# Altium PCB Whitespace_Daughtercard.PcbDoc (part 2 of 5)
Units mil, origin at the board's own origin, x right, y up, seen from the top; angles counter-clockwise.
Board outline 4000 x 3100 mil, 6 copper layers (Top Layer, Ground Plane, MidLayer1, MidLayer2, Power Plane, Bottom Layer), stack 62.3 mil thick; 355 components, 313 nets, 1366 pads, 1573 vias.
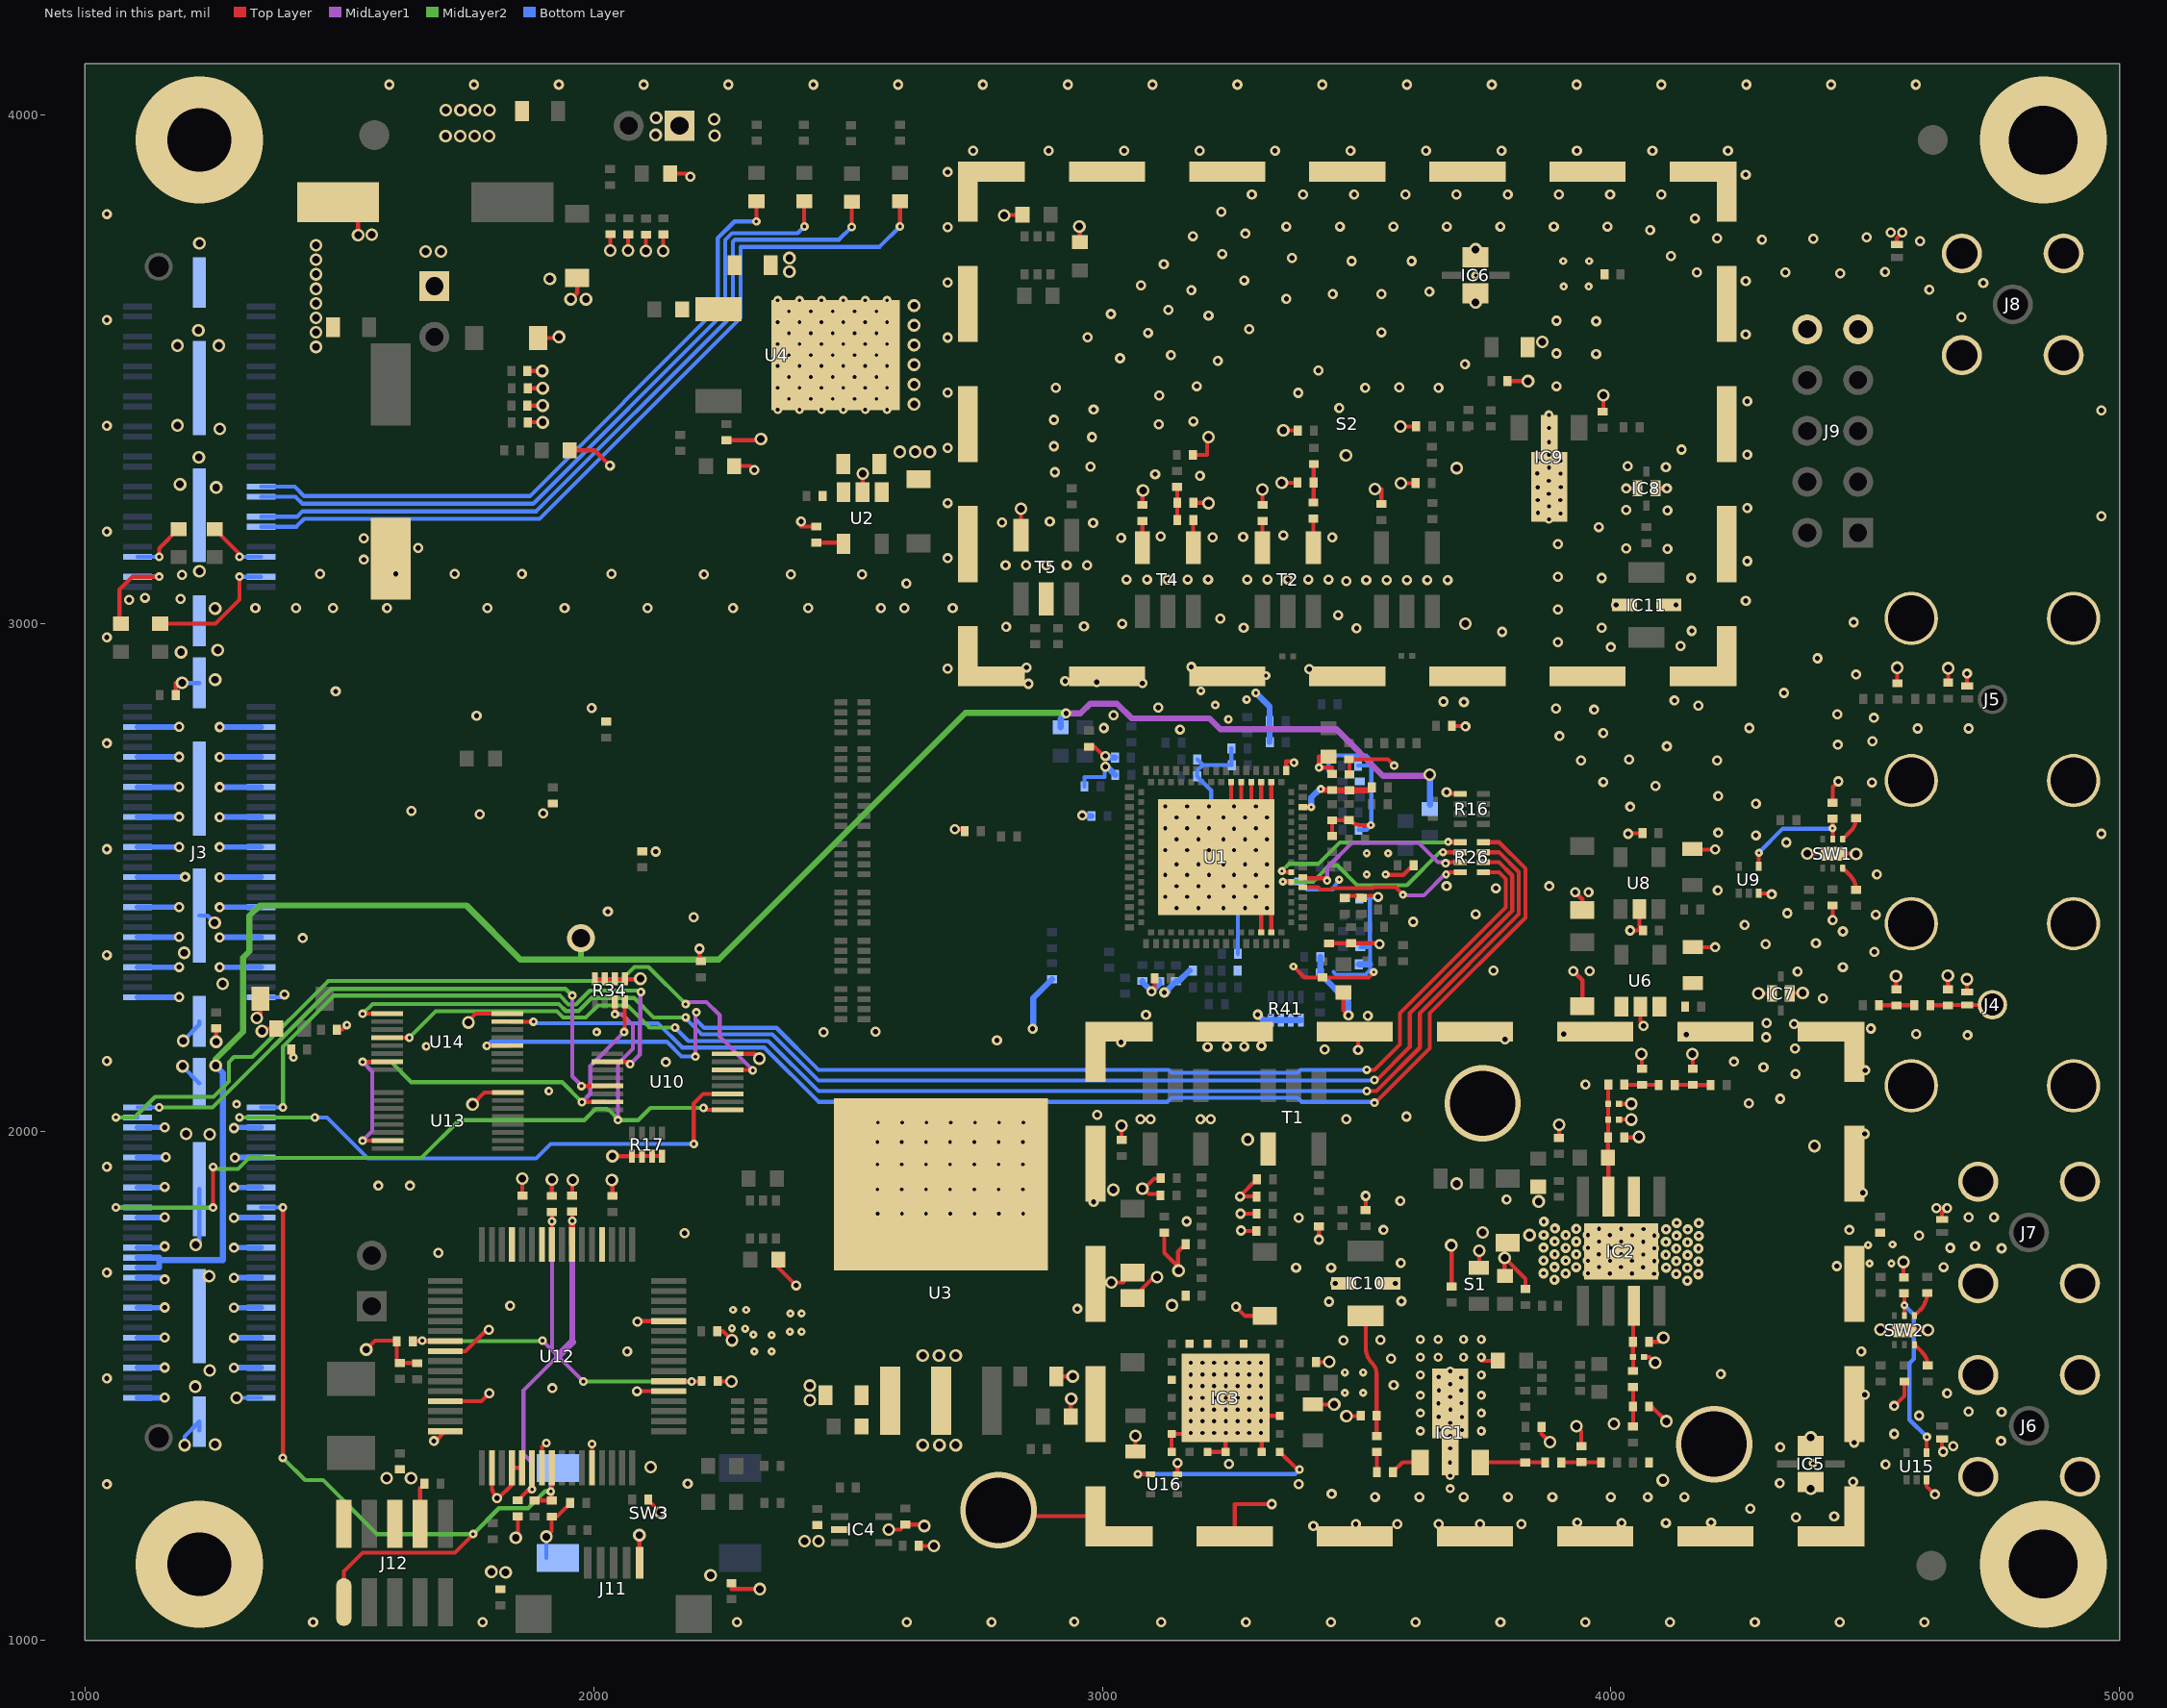
[diagram p6: the nets of this part, all layers, seen from the top]

## Part data
C1 C2 C3 C4 C5 C5a C5b C6 C6a C6b C6c C7 C8 C9 C10 C11 C12 C13 C14 C15 C16 C17 C18 C19 C20 C21 C22 C23 C24 C25 C26 C27 C28 C29 C30 C31 C32 C33 C34 C35 C36 C37 C38 C39 C40 C41 C42 C43 C44 C45 C46 C47 C60 C61 C62 C63 C64 C65 C66 C67 C68 C71 C72 C73 C74 C75 C76 C77 C78 C79 C80 C81 C82 C83 C84 C107 C112 C113 C115 C116 C117 C118 C119 C120 C121 C123 C124 C125 C126 C127 C128 C129 C130 C131 C132 C133 C134 C135 MC2 NC1 NC2: library part "Cap Semi", "Capacitor (Semiconductor SIM Model)"
C48 C49 C50 C51 C52 C53 C54 C55 C56 C57 C69 C70 C85 C86 C87 C88 C95 C96 C97 C98 C99 C102 C103 C104 C105 C106 C108 C109 C110 C111 C114 C136 C137 C138 C139 C140 C141 C142 C143 C144 C145 C146 C147 C148 C149 C150 C151 C152 C153 C154 C155 C156 C157 C158 C159 C160 C161 C162 C163 C164 C167 MC1: library part Cap, "Capacitor"
C58 C59: "Capacitor"
C89 C90 C91 C92 C93 C94 C168: library part Cap_0402, "0402 SMT Cap"
C165 C166: library part "Cap Pol3", "Polarized Capacitor (Surface Mount)"
D1 D2 D3 D4 D5 D6 D7 D8 D9 D15: library part LED
D10 D11 D12 D13 D14: library part ESD0P2RF-02LRH, "Bidirectional TVS Diode for RF Protection - Infineon"
FB1 FB2 FB3 FB4 FB5 FB6 FB7 FB8 FB9 FB10 FB11 FB12 FB13 FB14 FB15 FB16 FB17 FB18 FB19 FB20 FB21 FB22 FB23 FB24 FB25: library part FERRITE_BEAD, "Ferrite Bead, Various Values"
Heatsink: library part HeatSink
IC1 IC9: "Triquint TQP3M9009 Power Amplifier"
IC2: "RFMD RFPA3800 Power Amplifier"
IC3: library part RFFM4202, "5V, 2.4 to 2.5 GHz FEM w/ PA + PwrDet + SW"
IC4: "TI LDO Regulator SC70-5 0.9-6.2V"
IC5 IC6: library part 2450BP15E0100, "Johanson 2450 MHz Band Pass Ceramic Filter 2400-2500MHz"
IC7 IC8: library part FI168L062005-T
IC10 IC11: library part HFCN-440+, "Mini-Circuits High-Pass 500-2500 MHz Filter SMT"
J1 J2 J10: library part "Header 2", "Header, 2-Pin"
J3: "Samtec HSMC Daughtercard Connector (Male)"
J4 J5: "Right-Angle Through-PCB Female F-Type Connector, TE Connectivity, 75 Ohm"
J6 J7 J8: library part SMA_PCB_RT_ANGLE, "SMA 50 Ohm Female-NP Through Mount, Right-Angle Connector"
J9: "Header, 5-Pin, Dual row"
J11: "Molex Micro-USB Type B Connector"
J12: library part Header_5x2_FinePitch_1.27mm, "5X2 1.27 SMT Header Pins"
J14 L6 R30 R31 R32 R33: library part Res_0402, "0402 SMT Resistor"
L1 L2 L3 L4 L5 L7 L8 L9 L10 L11 L12 L13 L14 L15 L16 L17 ML1 ML2 NL1 NL2 R62: library part Inductor, "Inductor"
R1 R2 R12 R15 R25 R27 R28 R29 R39 R40 R42 R43 R44 R45 R46 R47 R48 R49 R52 R54 R55 R56 R57 R58 R59 R63 R102 R103: library part "Res Semi", "Semiconductor Resistor"
R3 R4 R5 R6 R7 R8 R9 R10 R11 R13 R14 R36 R37 R38 R51 R53 R60 R61: library part Res3, "Resistor"
R16 R17 R34 R35: library part 741X083103JP, "10kOhm Ohm 4x0402 Resistor Array"
R18 R19 R20 R21 R22 R23 R24: library part 741X083220JP, "22 Ohm 4x0402 Resistor Array"
R26 R41: library part 741X083470JP, "47 Ohm 4x0402 Resistor Array"
S1 S2: "EMI Shield 1.0 x 1.5 x 0.236 LairdTech"
SW1 SW2: "GaAs pHEMT DPDT switch 0.1-6.0 GHz"
SW3: library part SMT-PUSHBUTTON-SW, "Pushbutton Switch - Long Button"
T1: "Mini-Circuits Type A Transformer, 4:1 Ohm, CT, 200-1400MHz"
T2 T4 T6: "Mini-Circuits Type G 4.5-3000MHz 1:1 Transformer"
T3 T5: "Mini-Circuits Type A Transformer, 4:1 Ohm, CT, 500-2500MHz"
U1: "Lime Microsystems Wideband Transceiver Module"
U2 U6 U8: library part LP2985IM5-1.8, "TO LDO 1.8V 150mA Regulator w/ ON/OFF"
U3: library part TL780-05CKTTRG3, "TI 5V, 1500mA LDO"
U4: library part BA7807FP, "ROHM 7V, 1000mA LDO"
U5 U7 U17: "Integrated Load Switch, 0.8A, 2.5-8V, SC70-6"
U9 U15 U16: "Inverters Lo Pwr Sngl Invter Gate"
U10 U13 U14: "4-bit MUX/DEMUX 1-of-2  0-5V SIG 3.3V CTRL TVSOP-16"
U12: library part LM3S5Y36, "TI Stellaris LM3S5Y36 Microcontroller"
Y1: library part XTAL, "Crystal Oscillator"

## Via types
v1: diameter 20, hole 10, Top Layer to Bottom Layer, tented both sides, 569 vias
v2: diameter 17, hole 7, Top Layer to Bottom Layer, tented both sides, 273 vias
v3: diameter 25, hole 15, Top Layer to Bottom Layer, tented both sides, 262 vias
v4: diameter 18, hole 8, Top Layer to Bottom Layer, 137 vias
v5: diameter 16, hole 5, Top Layer to Bottom Layer, tented both sides, 108 vias
v6: diameter 20, hole 8, Top Layer to Bottom Layer, 64 vias
v7: diameter 18, hole 7, Top Layer to Bottom Layer, 61 vias
v8: diameter 17, hole 7, Top Layer to Bottom Layer, tented bottom, 41 vias
v9: diameter 18, hole 8, Top Layer to Bottom Layer, tented top, 17 vias
v10: diameter 16, hole 6, Top Layer to Bottom Layer, tented both sides, 11 vias
v11: diameter 25, hole 15, Top Layer to Bottom Layer, tented bottom, 10 vias
v12: diameter 16, hole 5, Top Layer to Bottom Layer, tented bottom, 4 vias
v13: diameter 55, hole 35.43, Top Layer to Bottom Layer, tented bottom, 3 vias
v14: diameter 150, hole 128.5, Top Layer to Bottom Layer, 3 vias
v15: diameter 250, hole 125, Top Layer to Bottom Layer, 2 vias
v16: diameter 250, hole 135, Top Layer to Bottom Layer, 2 vias
v17: diameter 18, hole 8, Top Layer to Bottom Layer, tented both sides, 2 vias
v18: diameter 18, hole 8, Top Layer to Bottom Layer, tented bottom, 2 vias
v19: diameter 20, hole 8, Top Layer to Bottom Layer, tented bottom, 1 vias
v20: diameter 19, hole 9, Top Layer to Bottom Layer, tented both sides, 1 vias

## Nets (pads, with @x,y where several pads share a name; then routed paths per layer and width w, separated by ;. In a path a pad name is that pad's centre, name@x,y a point inside that pad or via, vN(x,y) a via of type N, cw(c..) or ccw(c..) an arc to the next point about the centre after c; other vN are vias at no path point)
\LED_1_3: D6.- J3.26 | length 1325.5
  Top Layer w7.94: v2@2320.33,3790 D6.-@2320.33,3830
  Bottom Layer w7.94: J3.26@1346.65,3268.5 1412.5,3268.5 1431,3250 1875,3250 2244,3619 2244,3756.89 2277.11,3790 v2(2320,3790)
\LED_2_3: D7.- J3.28 | length 1431.7
  Top Layer w7.94: D7.-@2414,3830 2414,3780.45 v2(2414.33,3780.12)
  Bottom Layer w7.94: J3.28@1346.65,3248.82 1413.89,3248.82 1427.7,3235 1881.21,3235 2259,3612.79 2259,3753.59 2272.35,3766.94 2401.15,3766.94 v2(2414.33,3780.12)
\LED_3_3: D8.- J3.30 | length 1530.9
  Top Layer w7.94: v2(2507.33,3779.12) 2507.67,3779.45 D8.-@2507.67,3829
  Bottom Layer w7.94: J3.30@1346.65,3209.45 1417.15,3209.45 1427.7,3220 1887.43,3220 2274,3606.57 2274,3750.3 2277.7,3754 2482.22,3754 v2(2507.33,3779.12)
\LED_4_3: D9.- J3.32 | length 1631.9
  Top Layer w7.94: v2(2602.33,3780.12) D9.-@2602.33,3830
  Bottom Layer w7.94: J3.32@1346.65,3189.76 1415.76,3189.76 1431,3205 1893.64,3205 2289,3600.36 2289,3740 2562.22,3740 v2(2602.33,3780.12)
\MUX_EN_1: R34.5 U10.15 U13.15 U14.15 | length 1003.6
  Top Layer w7.94: v2@1546.24,1982.75 U13.15@1591.91,1982.75 ; v2@1546.24,2137.75 U14.15@1591.91,2137.75 ; v2@1977.24,2058.75 U10.15@2022.91,2058.75 ; v2@2061,2196 2061,2254.83 R34.5@2061.53,2255.36
  MidLayer1 w7.94: v2(1546,1982.51) 1565,2001.51 1565,2118.51 v2(1546,2137.51) ; v2(1977,2058.51) 1993.47,2074.98 1993.47,2129.47 v2@2060.5,2196.5
  MidLayer2 w7.94: v2(1546,2137.51) 1601.54,2137.51 1641.52,2097.53 1937.98,2097.53 v2(1977,2058.51)
  other v2: 2060,2196
\RST: C114.1 J3.122 J12.1 R38.1 SW3.2 U12.40 | length 1648.7
  Top Layer w7.94: v2@1389.31,1359.31 v2(1389.31,1851.18) ; J12.1@1509,1075.46 1509,1136 1545.79,1172.79 1727.68,1172.79 1763,1208.11 v8(1763,1209) ; R38.1@1884,1275 C114.1@1918,1275 ; C114.1@1918.16,1275.16 U12.40@1918.16,1339.51
  MidLayer1 w7.94: v2(1389,1359) v2@1389.31,1359.31
  MidLayer2 w7.94: v2(1389,1359) 1433,1315 1468,1315 1574,1209 v8(1763,1209) 1814,1260 1871,1260 1904,1293 v2(1916,1293)
  Bottom Layer w7.94: J3.122@1346.65,1851.18 v2(1389.31,1851.18) ; v2(1916,1293) SW3.2@1916,1339.17
\UHF_ANT_CTRL_7: C61.2 SW1.2 U9.4 | length 231.8
  Top Layer w7.94: U9.4@4290.69,2522.14 v12(4290.69,2548.68) ; SW1.2@4436,2575.54 v5(4436,2597) C61.2@4436,2615.5
  Bottom Layer w7.94: v12(4290.69,2548.68) 4338,2596 4435,2596 v5(4436,2597)
\WIFI_ANT_CTRL_8: C72.2 SW2.2 U15.4 | length 358.7
  Top Layer w7.94: SW2.2@4577,1638.54 v5(4577,1659) C72.2@4577,1682.5 ; U15.4@4620.69,1369.14 v8@4620.69,1399.68
  Bottom Layer w7.94: v5(4577,1659) 4595.47,1640.53 4595.47,1553.33 4587,1544.86 4587,1434 v8(4621,1400)
\WIFI_PA_CTRL_8: IC3.1 U16.4 | length 399.7
  Top Layer w7.94: v2@3070.32,1326.68 U16.4@3094.86,1326.68 ; IC3.1@3348.93,1370.62 3383.55,1336 v2(3388,1336)
  Bottom Layer w7.94: v2(3070,1327) 3378.97,1326.97 v2(3388,1336)
CTRLSEL: J3.121 R34.6 U10.1 | length 1665
  Top Layer w7.94: v2(1252,1851) v2(1252,1931) ; v2@2041.84,2235.13 R34.6@2041.84,2255.36 ; v2(2216,2047) 2220,2043 U10.1@2267,2043
  MidLayer1 w7.94: v2(2042,2231) 2056,2231 2077.47,2209.53 2077.47,2163.47 2048,2134 v2(2048,2023)
  MidLayer2 w7.94: v2(1060.69,1851.18) 1060.87,1851 v2(1252,1851) ; v2(1252,1931) 1256,1927 1301,1927 1322.53,1948.53 1661.53,1948.53 1736,2023 1982,2023 2004,2045 2026,2045 2027.53,2043.47 2029.89,2043.47 2042.47,2030.89 2042.47,2028.53 v2(2048,2023) 2087.71,2023 2111.71,2047 v2(2216,2047)
  Bottom Layer w7.94: v2(1060.69,1851.18) J3.121@1103.35,1851.18
CVDD_13_5: C107.1 C108.2 C109.2 C110.2 C111.2 U12.7 U12.9 U12.23 U12.38 U12.54 | length 1729.2
  Top Layer w7.94: C109.2@1644.5,1588 1645.02,1588.53 U12.23@1708.51,1588.53 ; C110.2@1851,1275.5 1869.35,1293.84 1875.84,1293.84 v2(1879,1297) 1879,1339.3 U12.38@1878.79,1339.51 ; C111.2@1918,1842.5 1918.16,1842.35 v2(1918.16,1824) U12.9@1918.16,1778.49 ; v2(1958,1825) C107.1@1958,1843 ; U12.54@2147.49,1509.79 2192.21,1509.79 v2(2193,1509) 2211.5,1509 C108.2@2212.5,1510
  Top Layer w12: U12.7@1957.53,1778.49 1957.53,1824.53 v2(1958,1825)
  MidLayer1 w7.94: v2(1879,1297) 1879,1349.75 1862,1366.75 1862,1491 1930,1559 ; v2@1900.47,1588.53 1918.16,1570.84 ; v2(1918.16,1824) 1918.16,1570.84 ; v2(1980,1509) 1930,1559 ; 1918.16,1570.84 1930,1559
  MidLayer1 w12: 1958,1587 v2(1958,1825)
  MidLayer1 w15: 1930,1559 1958,1587
  MidLayer2 w7.94: v2@1663,1588.53 v2@1900.47,1588.53 ; v2(1980,1509) v2(2193,1509)
  other v2: 1663,1589.53 1899.47,1589.53
FPGA_UHF_ANT_CTRL_1: J3.104 U10.3 | length 1138.6
  Top Layer w7.94: v2(2197,1976) 2197,2056 2215.5,2074.5 U10.3@2267,2074.5
  MidLayer2 w7.94: v2(1304,2028.35) 1304.35,2028 v2(1452,2028)
  Bottom Layer w7.94: v2(1304,2028.35) J3.104@1346.65,2028.35 ; v2(1452,2028) 1475.81,2028 1556.28,1947.53 1886.91,1947.53 1915.37,1976 v2(2197,1976)
FPGA_UHF_PA2_CTRL_1: J3.103 U10.6 | length 1596.9
  Top Layer w7.94: U10.6@2267,2121.74 v2@2312.67,2121.74
  MidLayer1 w7.94: v2(2181,2251) 2185,2255 2222,2255 2248,2229 2248,2186.88 v2@2312.91,2121.98
  MidLayer2 w7.94: v2(1060.69,2028.35) 1097.35,2028.35 1138,2069 1253,2069 1283,2099 1283,2137 1293,2147 1329,2147 1478.41,2296.41 2052.41,2296.41 2080,2324 2108,2324 v2(2181,2251)
  Bottom Layer w7.94: v2(1060.69,2028.35) J3.103@1103.35,2028.35
  other v2: 2312.91,2120.98
FPGA_WIFI_ANT_CTRL_1: J3.102 U10.10 | length 1128.8
  Top Layer w7.94: U10.10@2022.91,2137.49 2067.51,2137.49 v2(2072,2133)
  MidLayer1 w7.94: v2(2072,2133) 2091,2152 v2@2092,2278
  MidLayer2 w7.94: v2(1389.31,2048.03) 1389.31,2167.43 1489.88,2268 1933.3,2268 1950.76,2250.53 1965.24,2250.53 1992.7,2278 v2@2092,2278
  Bottom Layer w7.94: J3.102@1346.65,2048.03 v2(1389.31,2048.03)
  other v2: 2093,2275
FPGA_WIFI_PA_CTRL_1: J3.101 U10.13 | length 1188.1
  Top Layer w7.94: v2@1977.24,2090.24 U10.13@2022.91,2090.24
  MidLayer1 w7.94: v2(1958,2268) 1958,2109.01 v2@1977,2090.01
  MidLayer2 w7.94: v2(1146,2048.03) 1251.03,2048.03 1484,2281 1945,2281 v2(1958,2268)
  Bottom Layer w7.94: J3.101@1103.35,2048.03 v2(1146,2048.03)
  other v2: 1976,2090.01
GND: C1.1 C2.1 C3.1 C4.1 C5.2 C5a.1 C5b.1 C6.1 C6a.1 C6b.1 C6c.1 C7.1 C8.1 C9.1 C10.1 C11.1 C12.1 C13.2 C14.1 C15.1 C16.2 C17.1 C18.1 C19.2 C20.1 C21.2 C22.1 C23.2 C24.1 C25.1 C26.2 C27.1 C28.2 C29.2 C30.1 C31.2 C32.1 C34.1 C35.2 C36.2 C37.1 C38.2 C39.1 C40.1 C41.1 C42.1 C43.1 C44.2 C45.2 C46.2 C47.1 C48.2 C51.1 C52.1 C53.2 C54.1 C55.1 C56.1 C60.1 C61.1 C64.1 C65.2 C66.2 C67.1 C68.2 C71.1 C72.1 C74.1 C75.1 C76.2 C77.2 C78.1 C79.1 C80.1 C81.1 C82.1 C83.1 C84.1 C88.1 C89.1 C91.1 C92.1 C94.1 C95.2 C96.2 C99.1 C102.1 C103.1 C104.1 C105.1 C106.2 C107.2 C108.1 C109.1 C110.1 C111.1 C112.2 C113.2 C114.2 C115.2 C116.2 C117.2 C118.2 C119.2 C120.2 C124.1 C125.1 C126.2 C127.2 C128.2 C129.1 C130.1 C131.1 C132.1 C133.1 C134.1 C135.1 C138.1 C142.1 C143.2 C144.2 C145.1 C146.1 C147.1 C148.2 C149.1 C150.1 C151.1 C152.1 C153.2 C154.1 C155.2 C156.1 C157.1 C158.2 C159.1 C160.2 C161.1 C162.2 C163.2 C164.2 C165.2 C166.2 C168.1 D1.- D2.- D3.- D4.- D10.1 D11.1 D12.1 D13.1 D14.1 FB20.2 FB22.2 IC1.2 IC2.GND IC3.3 IC3.9 IC3.11 IC3.12 IC3.15 IC3.18 IC3.19 IC3.21 IC3.22 IC3.24 IC3.GND IC4.2 IC5.1 IC5.3 IC6.1 IC6.3 IC7.3 IC8.3 IC9.2 IC10.2 IC10.4 IC11.2 IC11.4 J1.1 J2.1 J3.160 J3.161 J3.162 J3.163 J3.164 J3.165 J3.166 J3.167 J3.168 J3.169 J3.170 J3.171 J3.172 J4.GND J5.GND J6.GND J7.GND J8.GND J9.5 J9.10 J11.5 J12.6 J12.8 J12.9 MC1.1 MC2.1 NC1.1 NC2.1 R5.1 R8.1 R10.1 R12.1 R14.2 R16.8 R17.1 R17.2 R17.3 R17.4 R28.1 R29.2 R31.1 R33.1 R34.1 R34.2 R34.3 R34.4 R37.2 R41.1 R41.2 R41.3 R41.4 R51.1 R53.1 S1.GND S2.GND SW1.7 SW2.7 SW3.4 T1.6 T5.2 T5.4 U1.53 U1.55 U1.88 U1.91 U1.93 U1.95 U1.97 U1.99 U1.121 U2.2 U3.2 U4.2 U6.2 U8.2 U9.3 U10.8 U12.4 U12.10 U12.13 U12.24 U12.29 U12.32 U12.34 U12.36 U12.37 U12.39 U12.44 U12.53 U12.60 U13.8 U14.8 U15.3 U16.3 | length 10117.6
  Top Layer w7.94: C119.2@1178.5,2859 1178.5,2883 v3(1191,2883) ; v3(1258,2177) C120.2@1258,2203.5 ; v3(1338,2224) 1345,2231 C161.1@1345,2262 ; v3@1353,2203 C162.2@1375.88,2203 ; C163.2@1405.5,2162 1405.5,2150.5 v2(1410,2146) ; C164.2@1495.5,2201 1506,2201 v2(1515,2210) ; v3(1537,3763) C166.2@1537,3828 ; v3(1553,1572) 1570.47,1589.47 1611.53,1589.47 C109.1@1613,1588 1613,1551.5 C112.2@1619,1545.5 1652.5,1545.5 C102.1@1653,1545 ; J12.9@1659,1229 1659,1299.5 C95.2@1667.5,1308 ; v1(1686,1392) 1689.15,1392 U12.32@1708.51,1411.36 ; U12.29@1708.51,1470.42 1779.42,1470.42 v1(1795,1486) ; U12.24@1708.51,1568.84 1748.14,1568.84 1790.3,1611 v1(1794,1611) ; v3@1754,2218 1768.24,2232.24 U14.8@1836,2232.24 ; v3(1762,2054) 1785.24,2077.24 U13.8@1836,2077.24 ; U12.34@1800.05,1339.51 1800.05,1304.03 ccw(c1834.03,1304.03) v1(1810,1280) 1813.26,1280 1839.42,1306.16 U12.36@1839.42,1339.51 U12.37@1859.1,1339.51 ; v3(1847,1202) 1851,1206 C110.1@1851,1244 ; C106.2@1860,1874.5 v3(1860,1908) ; C154.1@1870,3428 v3(1900,3428) ; C152.1@1870,3496 v3(1899,3496) ; C155.2@1870.5,3395 v3(1900,3395) ; C153.2@1870.5,3462 v3(1900,3462) ; C151.1@1891,3561 v3@1930,3561 ; U12.39@1898.47,1339.51 1898.47,1380.47 1906,1388 v2(1907,1388) ; v3(1907,1204) 1917.53,1214.53 1917.53,1243.04 C114.2@1918,1243.5 1927.5,1243.5 C105.1@1954,1270 ; C111.1@1918,1874 v3(1918,1906) ; D1.-@1953.12,3340 2002,3340 v1(2032,3310) ; v3(1955,3637) 1968,3650 C156.1@1968,3679 ; C107.2@1958,1874.5 1958,1904 v3(1959,1905) ; U12.44@1996.9,1339.51 v2@1996.9,1385.92 ; R34.1@2002.47,2300.64 R34.2@2022.16,2300.64 R34.3@2041.84,2300.64 R34.4@2061.53,2300.64 2062.17,2300 v3@2092,2300 ; v3(2033,3733) C157.1@2033,3765 ; v3(2036,1905) 2037,1904 C104.1@2037,1874 ; v3(2037,1952) 2075.11,1952 R17.4@2075.47,1952.36 R17.3@2095.16,1952.36 R17.2@2114.84,1952.36 R17.1@2134.53,1952.36 ; v3(2068,3733) C158.2@2068,3764.5 ; v1@2085.1,1490.1 U12.53@2147.49,1490.1 ; v1(2086,1627) cw(c2088.17,1624.83) 2088.17,1627.9 U12.60@2147.49,1627.9 ; v3(2090,1207) 2090,1153.07 J11.5@2090.57,1152.5 ; v3(2103,3732) C159.1@2103,3764 ; R37.2@2107.5,1277 2107.5,1275.5 v3(2131,1252) ; v3(2137,3732) C160.2@2137,3764.5 ; D4.-@2150.12,3884 2184,3884 v1(2190,3878) ; v1(2208,2360) 2208,2338.5 C118.2@2211,2335.5 ; C103.1@2243,1608 2254,1608 v3(2272,1590) ; C108.1@2244,1510 2245,1509 v3(2271,1509) ; C47.1@2261,3360 2327,3360 v3(2329,3362) ; U10.8@2267,2153.24 2316.76,2153.24 v3(2326,2144) ; FB22.2@2271,1112.5 2271,1101 v3(2327,1101) ; D2.-@2276.12,3309 2308,3309 v1(2316,3301) ; R10.1@2363,1749 2363,1733 v1(2398,1698) ; v1(2408,3200) 2408,3190.02 C17.1@2438,3190.02 ; v3@2528,3295.02 v3(2529,3294.02) U2.2@2529,3258 ; v3(2580,1218) 2603,1218 C135.1@2613,1228 v3@2647,1228 ; C134.1@2639,1186 v3(2669,1186) ; v1(2710,2595) 2725.5,2595 C117.2@2729.5,2591 ; v14(2796,1256) 2796,1244.24 S1.GND@2986.74,1244.24 ; v3@2808,3803 R51.1@2843,3803 ; T5.4@2840,3173.2 v3(2840,3225) ; C45.2@2909.87,1519 v3(2942,1519) ; D3.-@2938.12,1440 2938.12,1475 v3(2939,1475) ; R53.1@2956,3749 v3@2956,3779 ; C40.1@2974,2757 2985,2757 v1@3006,2736 ; v3(3018,1704) 3041,1704 C150.1@3060,1723 ; C138.1@3038,1984 v3(3038,2012) ; C78.1@3060,1673 3101,1714 v3(3108,1714) ; C77.2@3065,1371.13 v3(3065,1402) ; C76.2@3079,3232.5 3079,3260 v3(3080,3261) ; v1(3097,2276) 3103,2282 C88.1@3103,2301.5 ; C148.2@3114,1878 3092,1878 3082,1888 3102,1908 C147.1@3116,1908 ; C149.1@3122,1803 3122,1762 3149,1735 3149,1764 NC1.1@3164,1779 ; IC3.19@3136.33,1370.62 IC3.18@3136.33,1406.06 3242.63,1406.06 IC3.22@3242.63,1370.62 IC3.21@3207.19,1370.62 ; U16.3@3148.01,1326.68 v1(3148,1349) ; C75.1@3178,3331 3206,3331 v3@3206,3363 ; C74.1@3179,3237 3208,3237 v3(3209,3236) ; U1.121@3253.53,2569.53 U1.99@3253.53,2687.64 ; S1.GND@3260.36,1204.87 3260.36,1268 v1(3333,1268) ; v1(3263,1656) 3281,1638 C146.1@3320,1638 ; v1(3271,1873) C143.2@3303.5,1873 ; v1@3271,1874 C142.1@3304,1907 ; v1(3272,1839) C144.2@3303.5,1839 ; U1.121@3273.21,2589.21 U1.97@3273.21,2687.64 ; v1@3274,1805 C145.1@3303,1805 ; U1.121@3292.9,2608.9 U1.95@3292.9,2687.64 ; U1.53@3312.58,2392.36 U1.121@3312.58,2451.42 ; U1.121@3312.58,2628.58 U1.93@3312.58,2687.64 ; IC3.24@3313.49,1370.62 IC3.GND@3313.49,1441.49 ; IC3.GND@3313.49,1476.92 IC3.GND@3313.49,1441.49 ; C66.2@3315,3232.5 v3(3315,3263) ; U1.55@3332.27,2392.36 U1.121@3332.27,2431.73 ; U1.121@3332.27,2648.27 U1.91@3332.27,2687.64 ; IC3.3@3348.93,1441.49 IC3.GND@3313.49,1441.49 ; v3(3353,3276) C64.1@3383,3276 ; v3(3356,3379) C65.2@3387.5,3379 ; U1.88@3361.8,2710.28 3361.8,2728.5 v2@3374.5,2728.5 ; v5(3376,2325) 3397.5,2303.5 C26.2@3433,2303.5 3523.5,2303.5 v5(3534,2314) ; R14.2@3414,1463.87 3455.87,1463.87 v3(3456,1464) ; C67.1@3420,1547 3445,1547 v3(3446,1548) ; v1(3426,1788) MC1.1@3426,1814 ; C27.1@3445,2738 3426,2738 v2(3426,2716) 3452,2716 C13.2@3452,2703.5 ; C29.2@3446,2370.5 3446.5,2371 C30.1@3489.5,2371 3543,2371 v1(3545,2369) ; C12.1@3452,2581.84 C38.2@3452,2612.5 cw(c3453.2,2611.31) 3453.2,2613 C39.1@3485,2613 ccw(c3509.14,2637.14) 3509.14,2603 v5(3528,2603) ; C25.1@3474,2274 3474,2239 v1(3484,2229) ; C10.1@3477,2464 3540,2464 v1(3542,2462) ; v3(3480,1441) C1.1@3507.89,1441 ; C14.1@3486,2703 3486,2732.5 3561.5,2732.5 v2(3574,2720) ; v1(3503,2161) S1.GND@3503,2197 ; MC2.1@3518,1846 v1(3518,1874) ; v3(3536,3264) 3549,3264 C126.2@3549,3234.5 ; v5(3557,2506) 3557.81,2505.19 3592.09,2505.19 3610.9,2524 R12.1@3612,2524 ; v3(3586,3387) C125.1@3617,3387 ; v3(3587,3275) C124.1@3615,3275 ; v1@3677,2666 3678.63,2664.37 R16.8@3703.72,2664.37 ; v3(3686,1777) 3687,1776 R8.1@3687,1696 ; R29.2@3687.5,2798 v1@3713,2798 ; C54.1@3740,1733 3741,1734 v3(3741,1766) ; v9(3745.24,1556.72) 3745.24,1550 R5.1@3778,1550 ; C55.1@3792,1717 3791,1718 v3(3791,1752) 3832,1711 C56.1@3832,1691 ; C96.2@3796.5,3476 v3(3837,3476) ; C48.2@3863.39,1420 3863.39,1406.61 v3(3880,1390) ; C51.1@3898,1988 v3(3898,2014) ; v1(3926,2316) 3944,2298 C80.1@3944,2247 ; v1(3930,2471) 3944,2457 C131.1@3944,2436 ; v3(3932,1421) 3941.89,1411.11 C2.1@3941.89,1382 ; C168.1@3985,3417 v3(3985,3448) ; C6b.1@4016.09,2024.09 v3(4040,2024.09) ; C6c.1@4016.09,2055.09 v3(4040,2055.09) ; C6a.1@4026,1989 v3@4054,1989 ; v1(4030,3265) IC8.3@4052.28,3265 ; v1@4035,2587 C132.1@4062,2587 ; v1(4038,2396) 4056,2396 U8.2@4056,2438.02 ; U6.2@4058,2246.02 4058,2214 v1(4064,2208) ; v3(4060,2153) 4061,2152 C7.1@4061,2124 ; C5a.1@4065.09,1557.09 4075.91,1557.09 v3(4087,1546) ; C4.1@4075,1460 4080,1460 v3(4109,1431) ; C5b.1@4075,1587 4095,1587 v3(4103,1595) ; IC8.3@4087.72,3265 v1(4110,3265) ; v3(4160,2153) 4161,2152 C8.1@4161,2124 ; C130.1@4160,2556 4160,2555 v1(4205,2555) ; C79.1@4161,2363 v1(4205,2363) ; v3(4290,2272) IC7.3@4316.28,2272 ; U9.3@4290.69,2468.99 v1@4314.01,2468.99 ; IC7.3@4351.72,2272 4352.72,2273 v3(4377,2273) ; v3(4386,2547) SW1.7@4436,2547 v3@4481,2547 ; v1@4436,2419 C60.1@4436,2445 ; C61.1@4436,2647 4436,2678 v1(4447,2689) ; v3(4530,1611) 4576,1611 SW2.7@4577,1610 v3(4623,1610) ; v1(4557,1461) 4577,1481 C71.1@4577,1509 ; v3(4560.5,2306) 4560.5,2281 C81.1@4561.5,2280 ; D14.1@4562,3744.8 4562,3757 v1(4573,3768) ; C83.1@4563,2882 v3(4563,2912.5) ; v3(4575,1744) 4575,1715 C72.1@4576,1714 ; U15.3@4620.69,1315.99 4620.69,1303.32 v1(4637,1287) ; D12.1@4651,1396.2 4651,1375.83 ccw(c4657.83,1375.83) v1(4653,1371) ; D13.1@4651,1827.8 4651,1840 v1(4661,1850) ; C82.1@4662.5,2280 v3(4662.5,2307) ; C84.1@4663,2883 v3(4663,2911.5) ; D10.1@4700,2274.8 v3(4700,2300) ; D11.1@4700,2876.8 v1(4700,2901)